# Altium PCB Xavier_NX_Carrier_Board_v1.1.PcbDoc (part 5 of 6) (continued)
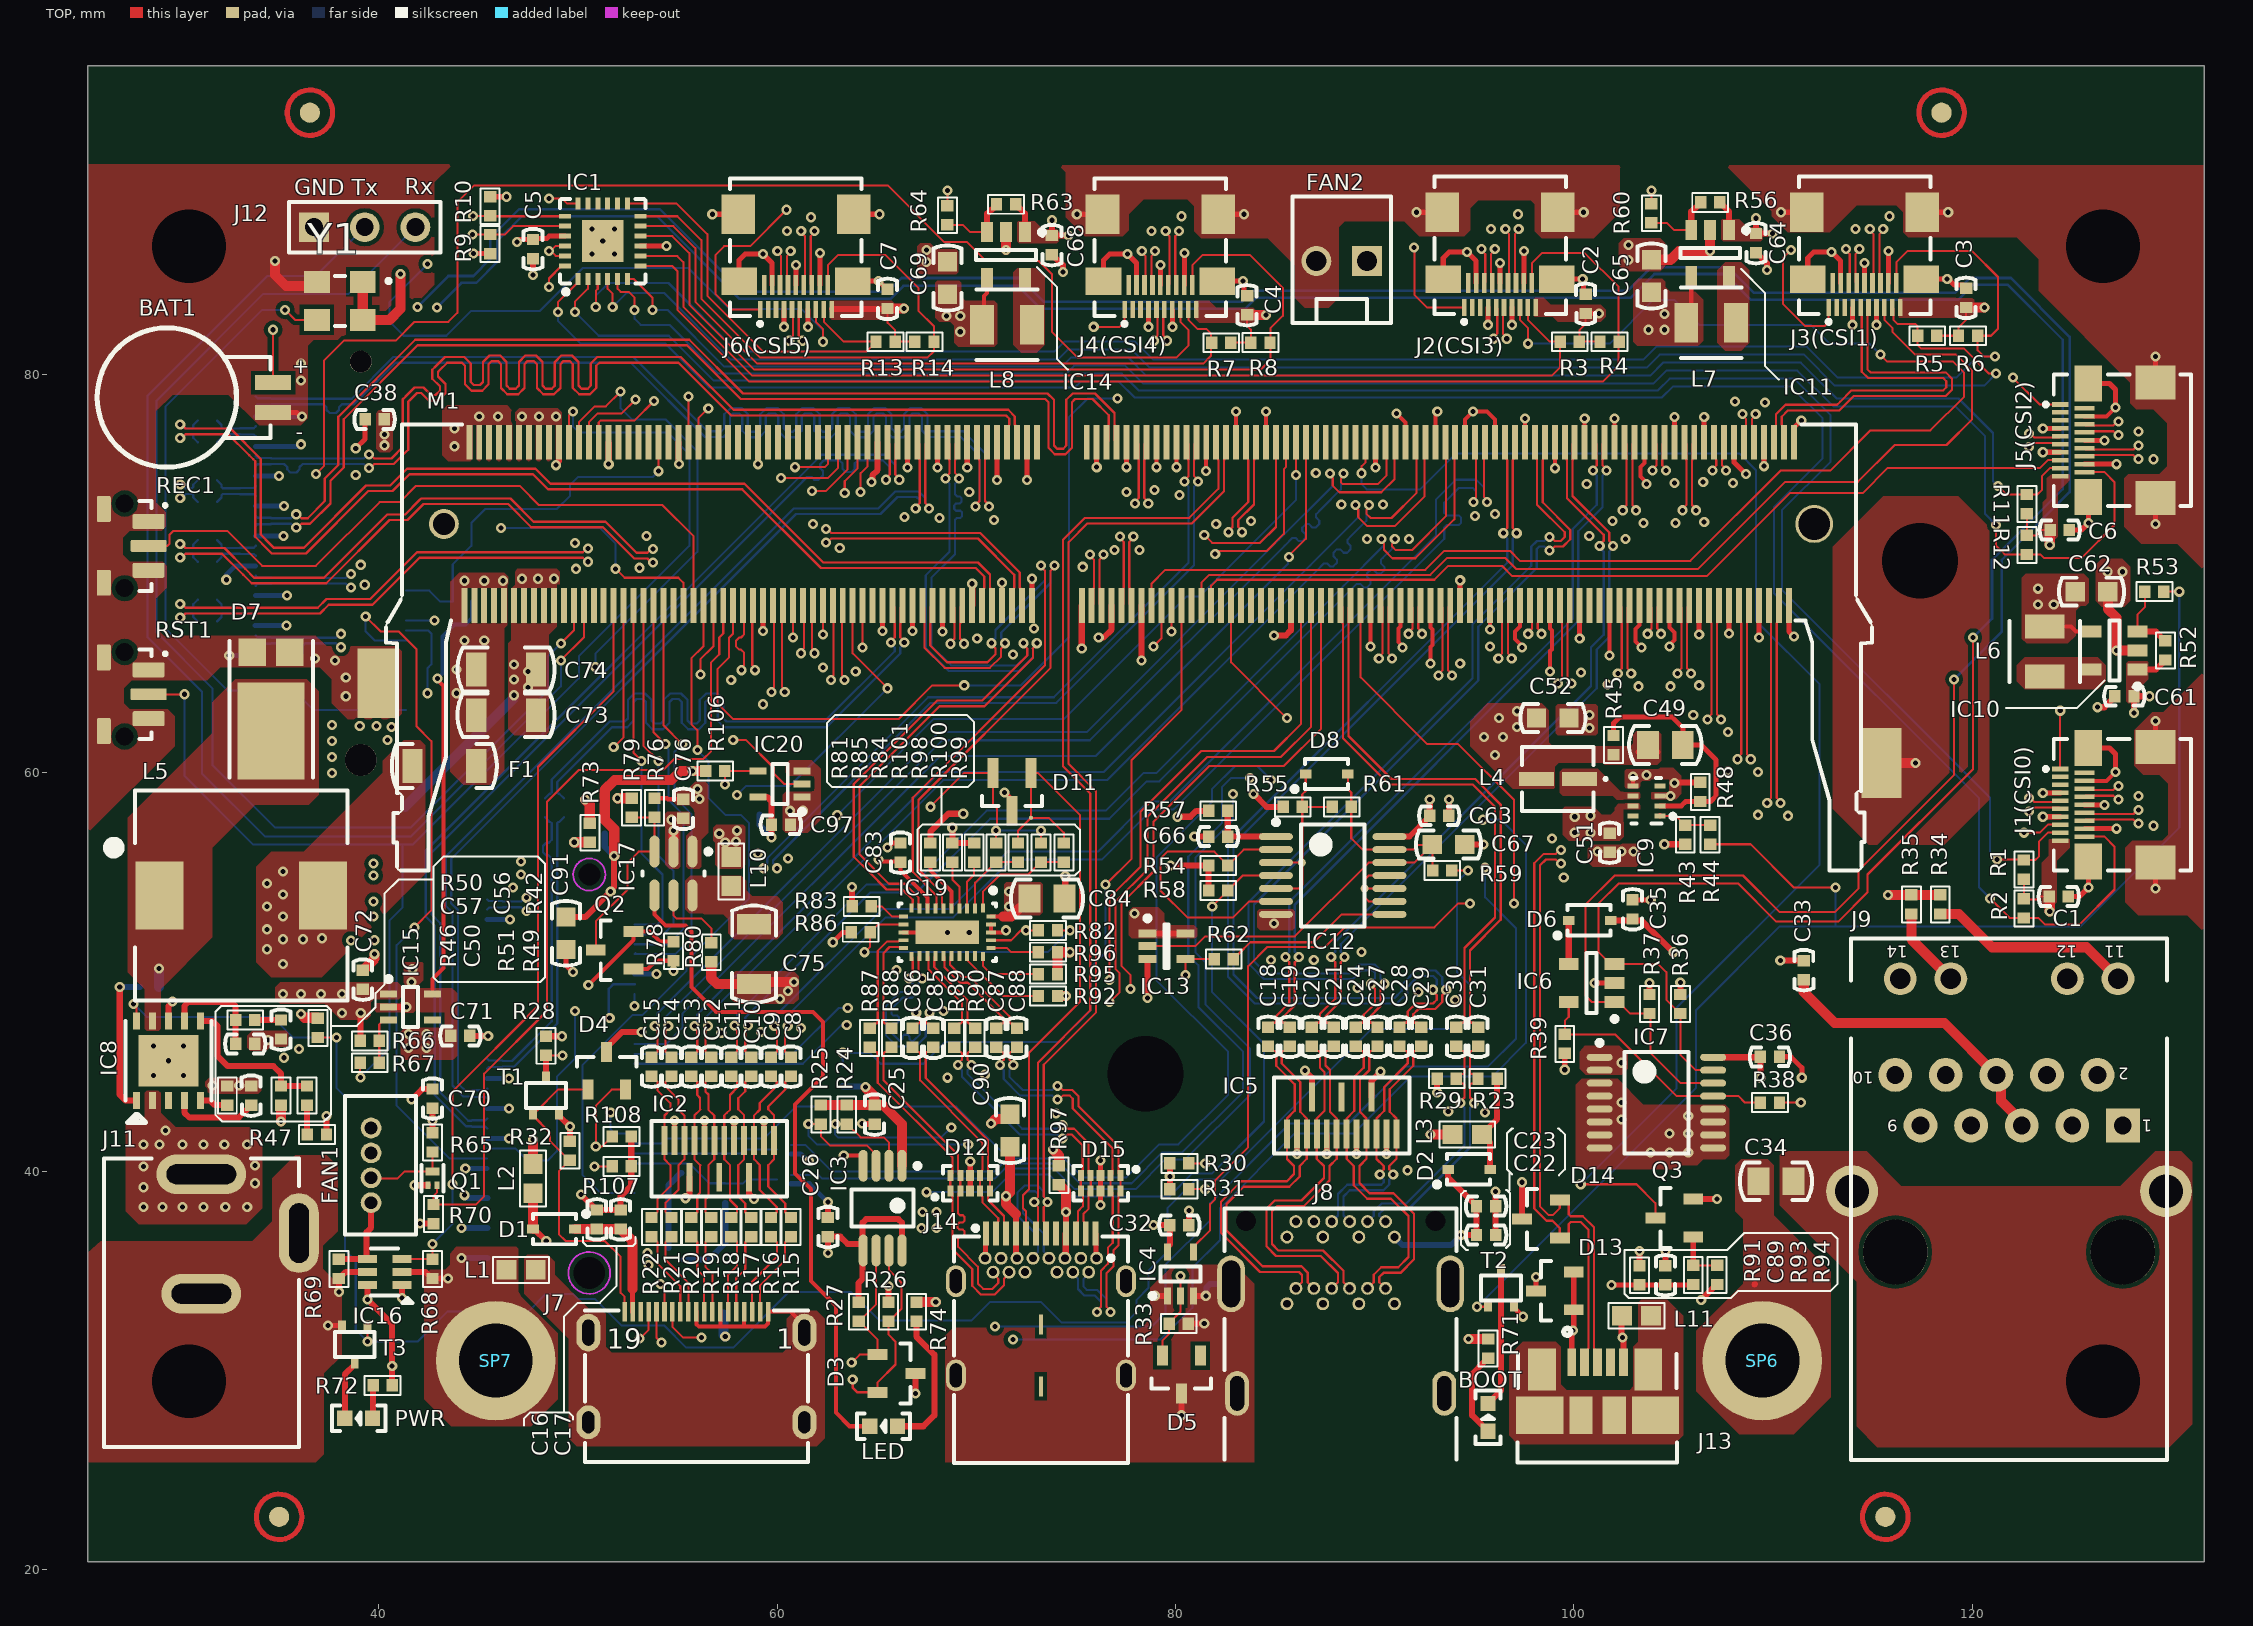
[diagram p0: TOP view]
## Polygon pours and split planes (outlines as drawn) (continued)
GND on TOP "GND_L01_P033" (solid, remove dead copper, pour order 33): 46.85,78.1 47.05,78.3 49,78.3 49.2,78.1 49.2,75.75 49.093,75.643 47.007,75.643 46.85,75.8
no net on TOP "NONET_L01_P028" (solid, remove dead copper, pour order 28): 34.2,56.05
GND on TOP "GND_L01_P027" (solid, remove dead copper, pour order 27): 84.1,53.05 84.2,53.15 85.9,53.15 86,53.05 86,52.2 85.9,52.1 84.25,52.1 84.1,52.25
NetC48_2 on TOP "NETC48_2_L01_P023" (solid, remove dead copper, pour order 23): 19 vertices, not listed, extent 27.4,47 37,64.7
GND on TOP "GND_L01_P019" (solid, remove dead copper, pour order 19): 31.5,44.7 33.95,44.7 34.1,44.55 34.1,44.05 33.95,43.9 31.5,43.9 31.3,44.1 31.3,44.5
VIN on TOP "VIN_L01_P005" (solid, remove dead copper, pour order 5): 17 vertices, not listed, extent 27.3,37.35 34.15,44.1
GND on L4_SIG "GND_L04_P176" (solid, remove dead copper, pour order 176): 19 vertices, not listed, extent 25.4,25.4 48.5,64.95
USBC_VBUS on L4_SIG "USBC_VBUS_L04_P148" (solid, remove dead copper, pour order 148): 19 vertices, not listed, extent 66.85,36.75 74.95,39.45
EGND on L4_SIG "NONET_L04_P-001" (solid, remove dead copper, pour order 142): 112.55,40.35 112.55,25.4 131.65,25.4 131.65,39.95 130.65,40.95 113.15,40.95
GND on L4_SIG "NONET_L04_P-001" (solid, remove dead copper, pour order 141): 62.75,25.4 62.75,30.575 65.275,33.1 79.05,33.1 81.9,35.95 81.9,42.2 83.95,44.25 108.7,44.25 111.7,41.25 111.7,25.4 92.65,25.4 92.65,32.7 83.95,32.7 83.95,25.4
1V8_SYS on L4_SIG "1V8_SYS_L04_P116" (solid, remove dead copper, pour order 116): 40.8,40.05 40.95,40.2 42.2,40.2 42.7,39.7 42.7,37.5 41.55,36.35 40.75,36.35 40.55,36.55 40.55,39.7
no net on L4_SIG "NONET_L04_P115" (solid, remove dead copper, pour order 115): 40.8,39.95
1V8_SYS on L4_SIG "1V8_SYS_L04_P114" (solid, remove dead copper, pour order 114): 40.9,46.95 41.3,47.35 42.817,47.35 43.15,47.017 43.15,45.45 42.85,45.15 40.9,45.15
no net on L4_SIG "NONET_L04_P111" (solid, remove dead copper, pour order 111): 41,47.5
USBC_VBUS on L2_GND (split plane): 23 vertices, not listed, extent 56.254,36.504 68.596,57.796
GND on L2_GND (split plane): 34 vertices, not listed, extent 25.91,20.91 131.14,94.99
3V3_CSI2 on L3_PWR (split plane): 121.446,84.086 121.446,82.514 120.386,81.454 101.214,81.454 100.304,82.364 100.304,83.786 101.214,84.696 120.836,84.696
3V3_CSI3 on L3_PWR (split plane): 71.657,84.376 71.689,84.351 71.726,84.336 71.765,84.331 71.766,84.331 84.202,84.331 85.246,83.286 85.246,82.075 84.375,81.204 66.014,81.204 65.2,82.017 65.2,83.533 66.814,85.146 70.886,85.146
3V3_CSI1 on L3_PWR (split plane): 126.121,70.961 126.121,54.139 124.586,52.604 123.184,52.604 122.354,53.434 122.354,71.236 123.414,72.296 124.786,72.296
USBC_VBUS on L3_PWR (split plane): 30 vertices, not listed, extent 56.954,55.904 70.246,59.046
HDMI_PWR on L3_PWR (split plane): 23 vertices, not listed, extent 47.934,33.104 66.546,39.096
VDD_MOD on L3_PWR (split plane): 27 vertices, not listed, extent 41.654,62.242 46.946,78.346
5V0_SYS on L3_PWR (split plane): 34 vertices, not listed, extent 25.91,20.91 131.14,94.99
GND on L5_GND (split plane): 34 vertices, not listed, extent 25.91,20.91 131.14,94.99

## Other copper
TOP:
  pour cut-out: 44.924,69.27 45.154,69.27 45.154,67.516 44.924,67.516 44.924,69.27
  pour cut-out: 44.441,69.27 44.671,69.27 44.671,67.516 44.441,67.516 44.441,69.27
  pour cut-out: 44.695,77.474 44.925,77.474 44.925,75.72 44.695,75.72 44.695,77.474
  pour cut-out: 45.915,69.27 46.144,69.27 46.144,67.516 45.915,67.516 45.915,69.27
  pour cut-out: 45.432,69.27 45.662,69.27 45.662,67.516 45.432,67.516 45.432,69.27
  pour cut-out: 46.181,77.486 46.411,77.486 46.411,75.733 46.181,75.733 46.181,77.486
  pour cut-out: 45.686,77.474 45.916,77.474 45.916,75.72 45.686,75.72 45.686,77.474
  pour cut-out: 45.178,77.474 45.408,77.474 45.408,75.72 45.178,75.72 45.178,77.474
  pour cut-out: 47.667,77.474 47.897,77.474 47.897,75.72 47.667,75.72 47.667,77.474
  pour cut-out: 48.658,77.474 48.887,77.474 48.887,75.72 48.658,75.72 48.658,77.474
  pour cut-out: 47.921,69.27 48.151,69.27 48.151,67.516 47.921,67.516 47.921,69.27
  pour cut-out: 46.931,69.27 47.16,69.27 47.16,67.516 46.931,67.516 46.931,69.27
  pour cut-out: 47.439,69.27 47.668,69.27 47.668,67.516 47.439,67.516 47.439,69.27
  pour cut-out: 48.429,69.27 48.659,69.27 48.659,67.516 48.429,67.516 48.429,69.27
  pour cut-out: 48.175,77.474 48.405,77.474 48.405,75.72 48.175,75.72 48.175,77.474
  pour cut-out: 47.185,77.474 47.414,77.474 47.414,75.72 47.185,75.72 47.185,77.474
L2_GND (plane layer: these items are gaps in the copper):
  drawing of 174 lines, arcs and shapes, not listed
L3_PWR (plane layer: these items are gaps in the copper):
  pour cut-out: 718 vertices and 0 holes, not listed, extent 85.148,36.248 91.452,37.928
  pour cut-out: 115.416,39 115.367,39.373 115.224,39.72 114.995,40.018 114.697,40.247 114.349,40.391 113.977,40.44 113.604,40.391 113.257,40.247 112.959,40.018 112.73,39.72 112.586,39.373 112.537,39 112.586,38.627 112.73,38.28 112.959,37.982 113.257,37.753 113.604,37.609 113.977,37.56 114.349,37.609 114.697,37.753 114.995,37.982 115.224,38.28 115.367,38.627 115.416,39
  pour cut-out: 131.173,39 131.124,39.373 130.98,39.72 130.751,40.018 130.453,40.247 130.106,40.391 129.733,40.44 129.361,40.391 129.013,40.247 128.715,40.018 128.486,39.72 128.343,39.373 128.294,39 128.343,38.627 128.486,38.28 128.715,37.982 129.013,37.753 129.361,37.609 129.733,37.56 130.106,37.609 130.453,37.753 130.751,37.982 130.98,38.28 131.124,38.627 131.173,39
  pour cut-out: 119.666,44.84 119.632,45.095 119.534,45.333 119.377,45.537 119.173,45.694 118.935,45.792 118.68,45.826 118.425,45.792 118.187,45.694 117.983,45.537 117.826,45.333 117.728,45.095 117.694,44.84 117.728,44.585 117.826,44.347 117.983,44.143 118.187,43.986 118.425,43.888 118.68,43.854 118.935,43.888 119.173,43.986 119.377,44.143 119.534,44.347 119.632,44.585 119.666,44.84
  pour cut-out: 118.396,42.3 118.362,42.555 118.264,42.793 118.107,42.997 117.903,43.154 117.665,43.252 117.41,43.286 117.155,43.252 116.917,43.154 116.713,42.997 116.556,42.793 116.458,42.555 116.424,42.3 116.458,42.045 116.556,41.807 116.713,41.603 116.917,41.446 117.155,41.348 117.41,41.314 117.665,41.348 117.903,41.446 118.107,41.603 118.264,41.807 118.362,42.045 118.396,42.3
  pour cut-out: 117.126,44.84 117.092,45.095 116.994,45.333 116.837,45.537 116.633,45.694 116.395,45.792 116.14,45.826 115.885,45.792 115.647,45.694 115.443,45.537 115.286,45.333 115.188,45.095 115.154,44.84 115.188,44.585 115.286,44.347 115.443,44.143 115.647,43.986 115.885,43.888 116.14,43.854 116.395,43.888 116.633,43.986 116.837,44.143 116.994,44.347 117.092,44.585 117.126,44.84
  pour cut-out: 119.895,49.67 119.862,49.919 119.766,50.15 119.613,50.349 119.414,50.502 119.183,50.598 118.934,50.631 118.685,50.598 118.454,50.502 118.255,50.349 118.102,50.15 118.006,49.919 117.973,49.67 118.006,49.421 118.102,49.19 118.255,48.991 118.454,48.838 118.685,48.742 118.934,48.709 119.183,48.742 119.414,48.838 119.613,48.991 119.766,49.19 119.862,49.421 119.895,49.67
  pour cut-out: 117.355,49.67 117.322,49.919 117.226,50.15 117.073,50.349 116.874,50.502 116.643,50.598 116.394,50.631 116.145,50.598 115.914,50.502 115.715,50.349 115.562,50.15 115.466,49.919 115.433,49.67 115.466,49.421 115.562,49.19 115.715,48.991 115.914,48.838 116.145,48.742 116.394,48.709 116.643,48.742 116.874,48.838 117.073,48.991 117.226,49.19 117.322,49.421 117.355,49.67
  pour cut-out: 124.746,44.84 124.712,45.095 124.614,45.333 124.457,45.537 124.253,45.694 124.015,45.792 123.76,45.826 123.505,45.792 123.267,45.694 123.063,45.537 122.906,45.333 122.808,45.095 122.774,44.84 122.808,44.585 122.906,44.347 123.063,44.143 123.267,43.986 123.505,43.888 123.76,43.854 124.015,43.888 124.253,43.986 124.457,44.143 124.614,44.347 124.712,44.585 124.746,44.84
  pour cut-out: 123.476,42.3 123.442,42.555 123.344,42.793 123.187,42.997 122.983,43.154 122.745,43.252 122.49,43.286 122.235,43.252 121.997,43.154 121.793,42.997 121.636,42.793 121.538,42.555 121.504,42.3 121.538,42.045 121.636,41.807 121.793,41.603 121.997,41.446 122.235,41.348 122.49,41.314 122.745,41.348 122.983,41.446 123.187,41.603 123.344,41.807 123.442,42.045 123.476,42.3
  pour cut-out: 122.206,44.84 122.172,45.095 122.074,45.333 121.917,45.537 121.713,45.694 121.475,45.792 121.22,45.826 120.965,45.792 120.727,45.694 120.523,45.537 120.366,45.333 120.268,45.095 120.234,44.84 120.268,44.585 120.366,44.347 120.523,44.143 120.727,43.986 120.965,43.888 121.22,43.854 121.475,43.888 121.713,43.986 121.917,44.143 122.074,44.347 122.172,44.585 122.206,44.84
  pour cut-out: 120.936,42.3 120.902,42.555 120.804,42.793 120.647,42.997 120.443,43.154 120.205,43.252 119.95,43.286 119.695,43.252 119.457,43.154 119.253,42.997 119.096,42.793 118.998,42.555 118.964,42.3 118.998,42.045 119.096,41.807 119.253,41.603 119.457,41.446 119.695,41.348 119.95,41.314 120.205,41.348 120.443,41.446 120.647,41.603 120.804,41.807 120.902,42.045 120.936,42.3
  pour cut-out: 127.286,44.84 127.252,45.095 127.154,45.333 126.997,45.537 126.793,45.694 126.555,45.792 126.3,45.826 126.045,45.792 125.807,45.694 125.603,45.537 125.446,45.333 125.348,45.095 125.314,44.84 125.348,44.585 125.446,44.347 125.603,44.143 125.807,43.986 126.045,43.888 126.3,43.854 126.555,43.888 126.793,43.986 126.997,44.143 127.154,44.347 127.252,44.585 127.286,44.84
  pour cut-out: 126.016,42.3 125.982,42.555 125.884,42.793 125.727,42.997 125.523,43.154 125.285,43.252 125.03,43.286 124.775,43.252 124.537,43.154 124.333,42.997 124.176,42.793 124.078,42.555 124.044,42.3 124.078,42.045 124.176,41.807 124.333,41.603 124.537,41.446 124.775,41.348 125.03,41.314 125.285,41.348 125.523,41.446 125.727,41.603 125.884,41.807 125.982,42.045 126.016,42.3
  pour cut-out: 126.593,43.277 128.547,43.277 128.547,41.323 126.593,41.323 126.593,43.277
  pour cut-out: 128.285,49.67 128.252,49.919 128.156,50.15 128.003,50.349 127.804,50.502 127.573,50.598 127.324,50.631 127.075,50.598 126.844,50.502 126.645,50.349 126.492,50.15 126.396,49.919 126.363,49.67 126.396,49.421 126.492,49.19 126.645,48.991 126.844,48.838 127.075,48.742 127.324,48.709 127.573,48.742 127.804,48.838 128.003,48.991 128.156,49.19 128.252,49.421 128.285,49.67
  pour cut-out: 125.745,49.67 125.712,49.919 125.616,50.15 125.463,50.349 125.264,50.502 125.033,50.598 124.784,50.631 124.535,50.598 124.304,50.502 124.105,50.349 123.952,50.15 123.856,49.919 123.823,49.67 123.856,49.421 123.952,49.19 124.105,48.991 124.304,48.838 124.535,48.742 124.784,48.709 125.033,48.742 125.264,48.838 125.463,48.991 125.616,49.19 125.712,49.421 125.745,49.67
  pour cut-out: 534 vertices and 0 holes, not listed, extent 85.598,33.673 91.002,34.577
  pour cut-out: 634 vertices and 0 holes, not listed, extent 70.398,34.483 76.102,36.087
  lines w0.305: 44.425,62.075 42.5,64 42.5,70.05 41.5,71.05 41.5,73.95 42.6,75.05 42.6,77.95 43.15,78.5 46.25,78.5 46.55,78.2 46.55,76.3 47.1,75.75 47.1,64.65 45.65,63.2 38.4,55.95 34.2,55.95 33.45,55.2 33.45,49.2 37.65,45 37.65,35.45 36.8,34.6 36.8,30.15 37.5,29.45 41.15,29.45 41.8,30.1 41.8,34.65 41.15,35.3 41.15,39.65 42.3,40.8 48.25,40.8 49.099,41.649 49.099,46.399 51.5,48.8 51.5,51.85 49.05,54.3 49.05,56.6 50.6,58.15 56.93,58.15 ; 47.1,67.7 53.4,67.7 55.3,69.6 55.3,90.6 ; 66.65,39.25 53.35,39.25 51.48,37.38 48.247,37.38 47.78,36.913 47.78,36.27 48.3,35.75 52.45,35.75 53.45,36.75 60.3,36.75 64.1,32.95 66.689,32.95 ; 66.7,25.4 66.7,45.2 70.7,49.2 80.255,49.2 91.253,60.197 93.853,60.197 94.15,59.9 94.15,57.645 91.9,55.395 91.9,41.95 92.7,41.15 95.95,41.15 99.2,44.4 106.9,44.4 108.9,42.4 111.6,42.4 112.55,43.35 112.55,47.65 117.05,52.15 117.05,53.85 116.05,54.85 114.85,54.85 111.911,51.911 99.1,51.911 98.55,52.461 98.55,61 98.95,61.4 98.95,62.95 98.05,63.85 89.95,63.85 84.325,58.225 83.367,58.225 79.35,54.208 79.35,53.7 78.1,52.45 77.5,52.45 76.65,53.3 73.4,53.3 72.95,52.85 69.65,52.85 68.15,54.35 68.15,57.2 ; 66.7,32.3 67.9,32.3 68.35,32.75 68.35,35.25 69.7,36.6 80.55,36.6 81.425,37.475 94.875,37.475 95.85,36.5 95.85,33.15 94.65,31.95 92.6,31.95 ; 68.15,57.2 68.5,57.55 69.95,57.55 70.4,58 70.4,58.7 69.9,59.2 57.955,59.2 56.8,58.045 56.8,56.3 57.35,55.75 58.85,55.75 58.85,56.4 59.65,57.2 68.15,57.2 ; 65.046,81.954 65.046,83.596 66.75,85.3 70.95,85.3 71.765,84.485 84.265,84.485 85.4,83.35 85.4,82.011 84.439,81.05 65.95,81.05 65.046,81.954 ; 100.15,82.3 101.15,81.3 120.45,81.3 121.6,82.45 121.6,84.15 120.9,84.85 101.15,84.85 100.15,83.85 100.15,82.3 ; 122.2,53.37 122.2,71.3 123.35,72.45 124.85,72.45 126.275,71.025 126.275,54.075 124.65,52.45 123.12,52.45 122.2,53.37
L5_GND (plane layer: these items are gaps in the copper):
  pour cut-out: 30.6,67.956 31.261,67.956 31.261,67.244 30.6,67.244 30.6,67.956
  pour cut-out: 31.55,67.956 32.211,67.956 32.211,67.244 31.55,67.244 31.55,67.956
  pour cut-out: 30.6,69.056 31.261,69.056 31.261,68.344 30.6,68.344 30.6,69.056
  pour cut-out: 31.55,69.056 32.211,69.056 32.211,68.344 31.55,68.344 31.55,69.056
  pour cut-out: 30.6,70.956 31.261,70.956 31.261,70.244 30.6,70.244 30.6,70.956
  pour cut-out: 31.55,70.956 32.211,70.956 32.211,70.244 31.55,70.244 31.55,70.956
  pour cut-out: 30.6,72.056 31.261,72.056 31.261,71.344 30.6,71.344 30.6,72.056
  pour cut-out: 31.55,72.056 32.211,72.056 32.211,71.344 31.55,71.344 31.55,72.056
  pour cut-out: 30.6,73.956 31.261,73.956 31.261,73.244 30.6,73.244 30.6,73.956
  pour cut-out: 31.55,73.956 32.211,73.956 32.211,73.244 31.55,73.244 31.55,73.956
  pour cut-out: 30.6,75.056 31.261,75.056 31.261,74.344 30.6,74.344 30.6,75.056
  pour cut-out: 31.55,75.056 32.211,75.056 32.211,74.344 31.55,74.344 31.55,75.056
  pour cut-out: 30.6,76.956 31.261,76.956 31.261,76.244 30.6,76.244 30.6,76.956
  pour cut-out: 31.55,76.956 32.211,76.956 32.211,76.244 31.55,76.244 31.55,76.956
  pour cut-out: 718 vertices and 0 holes, not listed, extent 85.148,36.248 91.452,37.928
  pour cut-out: 44.542,53.847 46.372,53.847 46.372,52.957 44.542,52.957 44.542,53.847
  pour cut-out: 31.55,78.056 32.211,78.056 32.211,77.344 31.55,77.344 31.55,78.056
  pour cut-out: 30.6,78.056 31.261,78.056 31.261,77.344 30.6,77.344 30.6,78.056
  pour cut-out: 44.542,42.847 46.372,42.847 46.372,41.957 44.542,41.957 44.542,42.847
  pour cut-out: 44.542,44.347 46.372,44.347 46.372,43.457 44.542,43.457 44.542,44.347
  pour cut-out: 44.542,45.847 46.372,45.847 46.372,44.957 44.542,44.957 44.542,45.847
  pour cut-out: 32.917,67.097 34.747,67.097 34.747,66.207 32.917,66.207 32.917,67.097
  pour cut-out: 32.917,68.597 34.747,68.597 34.747,67.707 32.917,67.707 32.917,68.597
  pour cut-out: 32.917,70.097 34.747,70.097 34.747,69.207 32.917,69.207 32.917,70.097
  pour cut-out: 32.917,71.597 34.747,71.597 34.747,70.707 32.917,70.707 32.917,71.597
  pour cut-out: 32.917,73.097 34.747,73.097 34.747,72.207 32.917,72.207 32.917,73.097
  pour cut-out: 32.917,74.597 34.747,74.597 34.747,73.707 32.917,73.707 32.917,74.597
  pour cut-out: 32.917,79.097 34.747,79.097 34.747,78.207 32.917,78.207 32.917,79.097
  pour cut-out: 32.917,77.597 34.747,77.597 34.747,76.707 32.917,76.707 32.917,77.597
  pour cut-out: 32.917,76.097 34.747,76.097 34.747,75.207 32.917,75.207 32.917,76.097
  pour cut-out: 131.173,39 131.124,39.373 130.98,39.72 130.751,40.018 130.453,40.247 130.106,40.391 129.733,40.44 129.361,40.391 129.013,40.247 128.715,40.018 128.486,39.72 128.343,39.373 128.294,39 128.343,38.627 128.486,38.28 128.715,37.982 129.013,37.753 129.361,37.609 129.733,37.56 130.106,37.609 130.453,37.753 130.751,37.982 130.98,38.28 131.124,38.627 131.173,39
  pour cut-out: 115.416,39 115.367,39.373 115.224,39.72 114.995,40.018 114.697,40.247 114.349,40.391 113.977,40.44 113.604,40.391 113.257,40.247 112.959,40.018 112.73,39.72 112.586,39.373 112.537,39 112.586,38.627 112.73,38.28 112.959,37.982 113.257,37.753 113.604,37.609 113.977,37.56 114.349,37.609 114.697,37.753 114.995,37.982 115.224,38.28 115.367,38.627 115.416,39
  pour cut-out: 125.745,49.67 125.712,49.919 125.616,50.15 125.463,50.349 125.264,50.502 125.033,50.598 124.784,50.631 124.535,50.598 124.304,50.502 124.105,50.349 123.952,50.15 123.856,49.919 123.823,49.67 123.856,49.421 123.952,49.19 124.105,48.991 124.304,48.838 124.535,48.742 124.784,48.709 125.033,48.742 125.264,48.838 125.463,48.991 125.616,49.19 125.712,49.421 125.745,49.67
  pour cut-out: 128.285,49.67 128.252,49.919 128.156,50.15 128.003,50.349 127.804,50.502 127.573,50.598 127.324,50.631 127.075,50.598 126.844,50.502 126.645,50.349 126.492,50.15 126.396,49.919 126.363,49.67 126.396,49.421 126.492,49.19 126.645,48.991 126.844,48.838 127.075,48.742 127.324,48.709 127.573,48.742 127.804,48.838 128.003,48.991 128.156,49.19 128.252,49.421 128.285,49.67
  pour cut-out: 126.593,43.277 128.547,43.277 128.547,41.323 126.593,41.323 126.593,43.277
  pour cut-out: 126.016,42.3 125.982,42.555 125.884,42.793 125.727,42.997 125.523,43.154 125.285,43.252 125.03,43.286 124.775,43.252 124.537,43.154 124.333,42.997 124.176,42.793 124.078,42.555 124.044,42.3 124.078,42.045 124.176,41.807 124.333,41.603 124.537,41.446 124.775,41.348 125.03,41.314 125.285,41.348 125.523,41.446 125.727,41.603 125.884,41.807 125.982,42.045 126.016,42.3
  pour cut-out: 127.286,44.84 127.252,45.095 127.154,45.333 126.997,45.537 126.793,45.694 126.555,45.792 126.3,45.826 126.045,45.792 125.807,45.694 125.603,45.537 125.446,45.333 125.348,45.095 125.314,44.84 125.348,44.585 125.446,44.347 125.603,44.143 125.807,43.986 126.045,43.888 126.3,43.854 126.555,43.888 126.793,43.986 126.997,44.143 127.154,44.347 127.252,44.585 127.286,44.84
  pour cut-out: 120.936,42.3 120.902,42.555 120.804,42.793 120.647,42.997 120.443,43.154 120.205,43.252 119.95,43.286 119.695,43.252 119.457,43.154 119.253,42.997 119.096,42.793 118.998,42.555 118.964,42.3 118.998,42.045 119.096,41.807 119.253,41.603 119.457,41.446 119.695,41.348 119.95,41.314 120.205,41.348 120.443,41.446 120.647,41.603 120.804,41.807 120.902,42.045 120.936,42.3
  pour cut-out: 122.206,44.84 122.172,45.095 122.074,45.333 121.917,45.537 121.713,45.694 121.475,45.792 121.22,45.826 120.965,45.792 120.727,45.694 120.523,45.537 120.366,45.333 120.268,45.095 120.234,44.84 120.268,44.585 120.366,44.347 120.523,44.143 120.727,43.986 120.965,43.888 121.22,43.854 121.475,43.888 121.713,43.986 121.917,44.143 122.074,44.347 122.172,44.585 122.206,44.84
  pour cut-out: 123.476,42.3 123.442,42.555 123.344,42.793 123.187,42.997 122.983,43.154 122.745,43.252 122.49,43.286 122.235,43.252 121.997,43.154 121.793,42.997 121.636,42.793 121.538,42.555 121.504,42.3 121.538,42.045 121.636,41.807 121.793,41.603 121.997,41.446 122.235,41.348 122.49,41.314 122.745,41.348 122.983,41.446 123.187,41.603 123.344,41.807 123.442,42.045 123.476,42.3
  pour cut-out: 124.746,44.84 124.712,45.095 124.614,45.333 124.457,45.537 124.253,45.694 124.015,45.792 123.76,45.826 123.505,45.792 123.267,45.694 123.063,45.537 122.906,45.333 122.808,45.095 122.774,44.84 122.808,44.585 122.906,44.347 123.063,44.143 123.267,43.986 123.505,43.888 123.76,43.854 124.015,43.888 124.253,43.986 124.457,44.143 124.614,44.347 124.712,44.585 124.746,44.84
  pour cut-out: 117.355,49.67 117.322,49.919 117.226,50.15 117.073,50.349 116.874,50.502 116.643,50.598 116.394,50.631 116.145,50.598 115.914,50.502 115.715,50.349 115.562,50.15 115.466,49.919 115.433,49.67 115.466,49.421 115.562,49.19 115.715,48.991 115.914,48.838 116.145,48.742 116.394,48.709 116.643,48.742 116.874,48.838 117.073,48.991 117.226,49.19 117.322,49.421 117.355,49.67
  pour cut-out: 119.895,49.67 119.862,49.919 119.766,50.15 119.613,50.349 119.414,50.502 119.183,50.598 118.934,50.631 118.685,50.598 118.454,50.502 118.255,50.349 118.102,50.15 118.006,49.919 117.973,49.67 118.006,49.421 118.102,49.19 118.255,48.991 118.454,48.838 118.685,48.742 118.934,48.709 119.183,48.742 119.414,48.838 119.613,48.991 119.766,49.19 119.862,49.421 119.895,49.67
  pour cut-out: 117.126,44.84 117.092,45.095 116.994,45.333 116.837,45.537 116.633,45.694 116.395,45.792 116.14,45.826 115.885,45.792 115.647,45.694 115.443,45.537 115.286,45.333 115.188,45.095 115.154,44.84 115.188,44.585 115.286,44.347 115.443,44.143 115.647,43.986 115.885,43.888 116.14,43.854 116.395,43.888 116.633,43.986 116.837,44.143 116.994,44.347 117.092,44.585 117.126,44.84
  pour cut-out: 118.396,42.3 118.362,42.555 118.264,42.793 118.107,42.997 117.903,43.154 117.665,43.252 117.41,43.286 117.155,43.252 116.917,43.154 116.713,42.997 116.556,42.793 116.458,42.555 116.424,42.3 116.458,42.045 116.556,41.807 116.713,41.603 116.917,41.446 117.155,41.348 117.41,41.314 117.665,41.348 117.903,41.446 118.107,41.603 118.264,41.807 118.362,42.045 118.396,42.3
  pour cut-out: 119.666,44.84 119.632,45.095 119.534,45.333 119.377,45.537 119.173,45.694 118.935,45.792 118.68,45.826 118.425,45.792 118.187,45.694 117.983,45.537 117.826,45.333 117.728,45.095 117.694,44.84 117.728,44.585 117.826,44.347 117.983,44.143 118.187,43.986 118.425,43.888 118.68,43.854 118.935,43.888 119.173,43.986 119.377,44.143 119.534,44.347 119.632,44.585 119.666,44.84
  pour cut-out: 534 vertices and 0 holes, not listed, extent 85.598,33.673 91.002,34.577
  pour cut-out: 634 vertices and 0 holes, not listed, extent 70.398,34.483 76.102,36.087
  pour cut-out: 29.85,38.722 29.752,38.727 29.654,38.74 29.558,38.761 29.464,38.79 29.374,38.828 29.286,38.873 29.203,38.926 29.125,38.986 29.053,39.053 28.986,39.125 28.926,39.203 28.873,39.286 28.828,39.373 28.79,39.464 28.761,39.558 28.739,39.654 28.727,39.751 28.722,39.85 28.727,39.948 28.739,40.046 28.761,40.142 28.79,40.235 28.828,40.326 28.873,40.414 28.926,40.497 28.986,40.575 29.052,40.647 29.125,40.714 29.203,40.773 29.286,40.826 29.373,40.872 29.464,40.909 29.558,40.939 29.654,40.96 29.751,40.973 29.85,40.978 32.35,40.978 32.448,40.973 32.546,40.96 32.642,40.939 32.736,40.91 32.826,40.872 32.914,40.827 32.997,40.774 33.075,40.714 33.147,40.647 33.214,40.575 33.274,40.497 33.327,40.414 33.372,40.327 33.41,40.236 33.439,40.142 33.461,40.046 33.473,39.949 33.478,39.85 33.473,39.752 33.461,39.654 33.439,39.558 33.41,39.465 33.372,39.374 33.327,39.286 33.274,39.203 33.214,39.125 33.148,39.053 33.075,38.986 32.997,38.927 32.914,38.874 32.827,38.828 32.736,38.791 32.642,38.761 32.546,38.74 32.449,38.727 32.35,38.722 29.85,38.722

## Silkscreen, mask and mechanical layers (free items; w line width, h text height)
Top Overlay:
  lines w0.102: 37.6,47.3 38.9,47.3 39.85,48.25 39.85,48.95 40.3,49.4 40.3,53.95 41,54.65 42.75,54.65 ; 47.3,27.25 47.3,27.6 47.6,27.9 49.05,27.9 49.55,27.9 49.75,27.7 49.75,27.55 ; 49.3,27.9 49.3,28.55 49.3,32.7 50,33.4 51.1,33.4 51.95,34.25 51.95,36.25 ; 50.25,36.7 50.25,36.45 50.45,36.25 52.75,36.25 52.9,36.4 52.9,36.7 ; 68.25,57.4 68.25,59.3 ; 73.05,85.4 74.05,84.4 74.05,80.8 74.6,80.25 ; 94.6,39 94.5,39 94.35,38.85 94.35,36.3 94.6,36.05 94.7,36.05 ; 96.6,36.15 96.8,36.35 96.8,38.9 96.65,39.05 96.6,39.05 ; 96.775,39.025 96.775,39.975 ; 96.9,39.85 96.65,40.1 96.65,41.9 96.9,42.15 96.95,42.15 ; 99.2,42.15 99.25,42.15 99.55,41.85 99.55,40.1 99.25,39.8 ; 110.3,79.75 109.6,80.45 109.6,84.1 108.4,85.3 ; 121.7,63.25 125.25,63.25 126.65,64.65 ; 108.4,85.3 108.4,85.3 ; 31.8,42.85 32.15,42.5 37.25,42.5 37.6,42.85 37.6,48.1 37.4,48.3 32.1,48.3 31.8,48 31.8,42.85 ; 42.75,49.75 43,49.5 48.1,49.5 48.35,49.75 48.35,55.45 48,55.8 43.25,55.8 42.75,55.3 42.75,49.75 ; 62.5,59.55 62.75,59.3 69.6,59.3 69.9,59.6 69.9,62.55 69.55,62.9 62.9,62.9 62.5,62.5 62.5,59.55 ; 67.05,55.05 67.25,54.85 74.95,54.85 75.2,55.1 75.2,56.95 75.2,57.15 74.95,57.4 67.3,57.4 67.05,57.15 67.05,55.05 ; 102.55,33.85 102.75,33.65 107.9,33.65 108.25,34 112.9,34 113.25,34.35 113.25,36.6 112.95,36.9 108.55,36.9 107.7,36.05 102.55,36.05 102.55,33.85
  lines w0.254: 27.85,42.45 27.85,42.8 27.8,42.85 ; 27.8,42.85 27.9,42.85 28.3,42.45 27.4,42.45 27.8,42.85
Bottom Overlay:
  text "Xavier NX Carrier Board v1.1" at 120.596,87.454 h1.52
OUTLINE:
  lines w0.1: 25.4,25.4 25.4,20.4 131.65,20.4 131.65,25.4 ; 25.4,25.4 25.4,90.5 ; 25.4,25.4 83.95,25.4 83.95,32.7 92.65,32.7 92.65,25.4 131.65,25.4 ; 25.4,90.5 25.4,95.5 131.65,95.5 131.65,90.5 ; 25.4,90.5 131.65,90.5 ; 131.65,25.4 131.65,90.5
COMPONENT:
  drawing of 236 lines, arcs and shapes, not listed
  text "Primary Signal Layer 1 (1 oz.cu)" at -104.168,98.45 h1.91
  text "2.7mil PP1080" at -134.75,94.919 h1.91
  text "L2_GND  Plane  Layer 2 (1 oz.cu )" at -104.168,92.1 h1.91
  text "2.9mil CORE" at -135.131,85.521 h1.91
  text "30-45" at -30.585,79.603 h1.27
  text "L3_PWR Plane  Layer 3 (1 oz.cu )" at -103.825,79.171 h1.91
  text "40mil" at -135.233,72.872 h1.91
  text "CORE+PP" at -125.161,72.503 h1.91
  text "T" at -43.5,71.602 h1.27
  text "R" at -13.782,71.602 h1.27
  text "L4_SIG         Layer 4 (1 oz.cu )" at -103.889,67.233 h1.91
  text "S<0.1MM" at -33.213,62.712 h1.27
  text "0.6 T 1.0MM,R 0.3+/-0.1MM" at -42.116,60.383 h1.27
  text "1.0 T 1.2MM,R 0.4+/-0.1MM" at -42.116,58.097 h1.27
  text "2.9mil CORE" at -135.004,57.835 h1.91
  text "1.2 T 2.0MM,R 0.5+/-0.1MM" at -42.116,55.938 h1.27
  text "2.0 T 3.0MM,R 0.55+/-0.1MM" at -42.116,53.652 h1.27
  text "L5_GND  Plane  Layer 5 (1 oz.cu )" at -104.168,47.65 h1.91
  text "4 mil" at -134.598,44.297 h1.91
  text "PREPREG" at -126.15,44.05 h1.91
  text "Solder Signal  Layer 6 (1 oz.cu)" at -104.168,40.665 h1.91
  text "Impedance Controll Table" at -90.992,27.496 h1.91
  text "SINGLE ENDED TRACE" at -115.122,23.178 h1.91
  text "DIFFERENTIAL TRACE" at -52.384,23.178 h1.91
  text "LAYER" at -143.125,19.508 h1.91
  text "WIDTH/SPACE" at -62.607,19.508 h1.91
  text "IMPEDANCE" at -28.698,19.508 h1.91
  text "IMPEDANCE" at -93.849,19.254 h1.91
  text "WIDTH" at -122.043,18.746 h1.91
  text "(OHM+/-10%)" at -30.095,16.587 h1.91
  text "(mil)" at -122.551,16.46 h1.91
  text "(OHM+/-10%)" at -94.611,16.206 h1.91
  text "(mil)" at -58.797,16.206 h1.91
  text "4.1/ 12mil" at -59.458,8.954 h1.91
  text "100 ohm" at -28.978,8.954 h1.91
  text "1  6" at -142.998,8.7 h1.91
  text "4 mil" at -124.583,8.7 h1.91
  text "50 ohm" at -93.468,8.7 h1.91
  text "4.2/ 7 mil" at -59.458,5.144 h1.91
  text "90 ohm" at -28.978,5.144 h1.91
  text "4.5/6.5mil" at -59.458,1.588 h1.91
  text "85 ohm" at -28.978,1.588 h1.91
  text "4.1/ 10mil" at -59.839,-5.092 h1.91
  text "100 ohm" at -29.359,-5.092 h1.91
  text "4" at -142.998,-5.27 h1.91
  text "5 mil" at -125.218,-5.27 h1.91
  text "50 ohm" at -93.468,-5.27 h1.91
  text "4.3/7.3mil" at -59.756,-8.713 h1.91
  text "90 ohm" at -29.276,-8.777 h1.91
  text "4.6/6.8mil" at -59.756,-12.523 h1.91
  text "85 ohm" at -29.276,-12.587 h1.91
  text "Purchase Order And Specification Sheet" at -107.794,-25.641 h1.91
  text "FR4" at -104.136,-32.219 h1.91
  text "Dielectric Material:" at -142.744,-32.473 h1.91
  text "6" at -104.136,-37.299 h1.91
  text "Total board Layers:" at -142.744,-37.553 h1.91
  text "63+/-10%" at -104.136,-42.379 h1.91
  text "Board Thickness:" at -142.744,-42.633 h1.91
  text "White" at -104.136,-47.459 h1.91
  text "Silkscreen Colors:" at -142.744,-47.713 h1.91
  text "Green" at -104.136,-52.539 h1.91
  text "Red" at -86.356,-52.539 h1.91
  text "Yellow" at -68.576,-52.539 h1.91
  text "Black" at -50.796,-52.539 h1.91
  text "Othor" at -33.016,-52.539 h1.91
  text "Soldermask Colors:" at -142.744,-52.793 h1.91
  text "HASL" at -104.136,-57.619 h1.91
  text "OSP" at -86.356,-57.619 h1.91
  text "GOLDFINGER" at -68.576,-57.619 h1.91
  text "IMMERSION GOLD" at -44.446,-57.619 h1.91
  text "Surface Finished:" at -142.744,-57.873 h1.91
  text "Other Notes:" at -142.744,-62.953 h1.91
  text "1.Via:All vias need filling soldermask." at -142.566,-67.881 h1.91
  text "2." at -142.566,-71.691 h1.91
  text "Silkcreen:permanent white non-conductive epoxy inc.where appropriate clip" at -139.01,-71.818 h1.91
  text "silkscreen line width not to exceed 0.005\"to ensure silkscreen clarity." at -139.01,-74.993 h1.91
  text "3." at -142.566,-78.803 h1.91
  text "Plating:solder resist over bare copper on both sides of board." at -139.01,-78.803 h1.91